# Altium PCB Motherboard.PcbDoc (part 2 of 3) (continued)
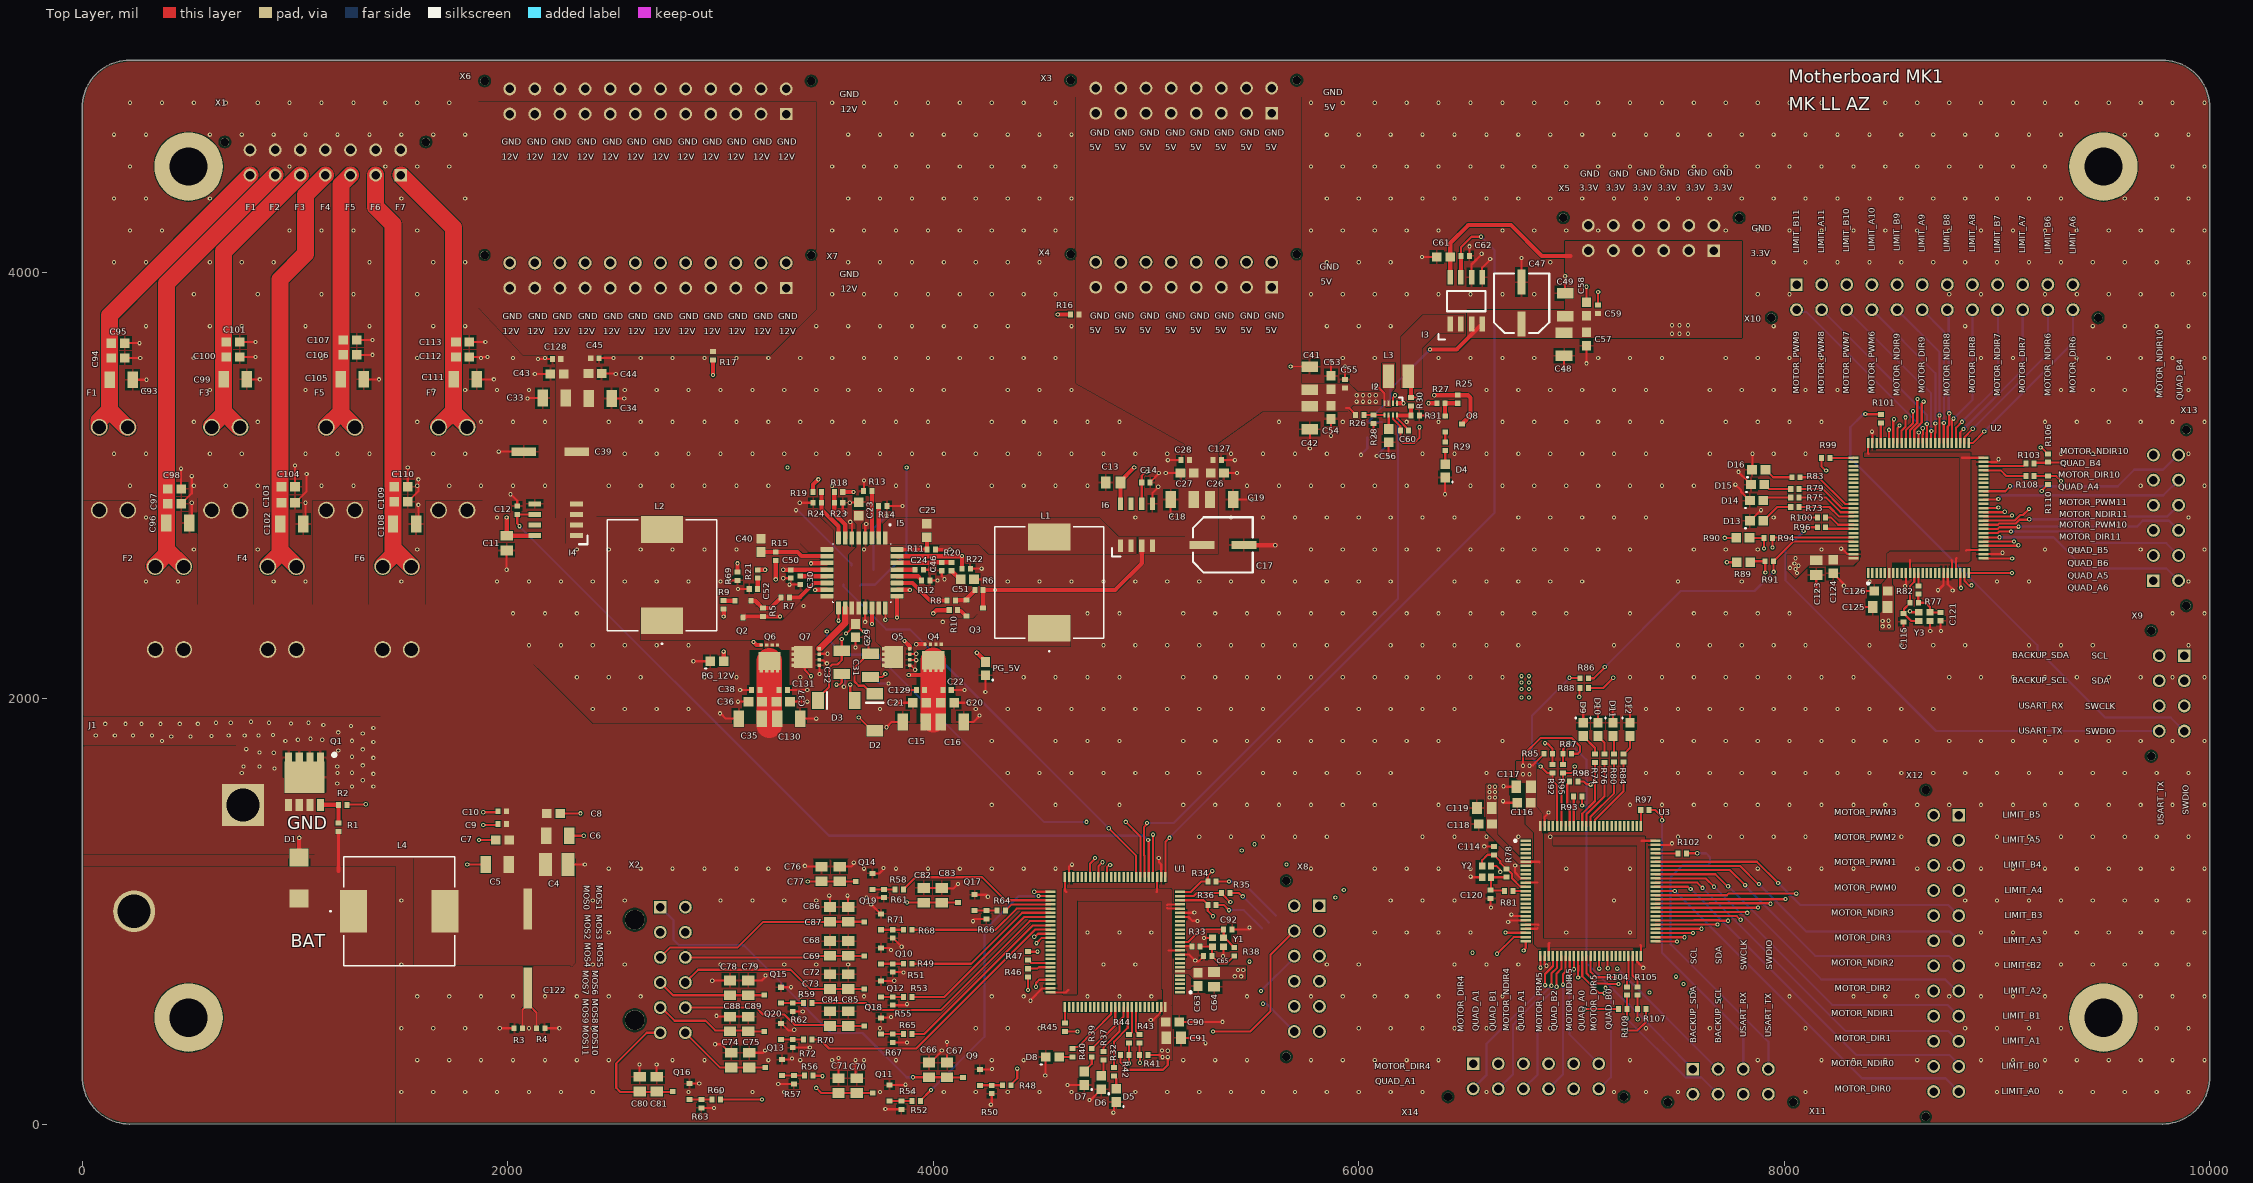
[diagram p0: Top Layer view]
## Nets (pads, with @x,y where several pads share a name; then routed paths per layer and width w, separated by ;. In a path a pad name is that pad's centre, name@x,y a point inside that pad or via, vN(x,y) a via of type N, cw(c..) or ccw(c..) an arc to the next point about the centre after c; other vN are vias at no path point) (continued)
LX1: C31.1 I5.25 Q5.1 | length 539.6
  Top Layer w10: C31.1@3705,2100.87 3760.87,2100.87 v1(3775,2115)
  Top Layer w20: I5.25@3829.57,2479.76 3829.57,2380.43 v1@3830,2380 ; v1(3865,2270) 3889.8,2245.2 Q5.1@3889.8,2233.39
  Mid Layer 1 w20: v1(3829.57,2380) 3829.57,2305.43 v1(3865,2270)
  Mid Layer 3 w10: v1(3775,2115) 3865,2205 v1(3865,2270)
LX2: C32.2 I5.16 L2.1 Q6.2 Q7.3 R15.1 | length 569
  Top Layer w10: Q7.3@3395,2185 3396.31,2183.69 3396.31,2133.69 v1(3425,2105) ; v1(3545,2065) 3560,2065 3570,2075 C32.2@3570,2115
  Top Layer w20: v1(3260,2560) R15.1@3260,2649.13
  Mid Layer 4 w10: v1(3425,2105) 3465,2065 v1(3545,2065)
  Mid Layer 4 w20: v1(3260,2560) 3385,2435 v1(3390,2435)
Mos0_out: C66.1 C67.1 Q9.3 X2.P$1 | length 1806.9
  Top Layer w10: v1(3905,220) 3979.68,220 3980,219.68 4065,219.68 4065.32,219.36 4139.36,219.36 Q9.3@4139.68,219.68
  Bottom Layer w10: X2.P$1@2716.89,1019.34 2780,956.23 2780,865 2805,840 3110,840 3311.53,638.47 3311.53,634.96 3519.01,427.48 3667.52,427.48 3875,220 3895,220 v1@3900,225
Mos1_out: C70.1 C71.1 Q11.3 X2.P$7 | length 1383.6
  Top Layer w10: v1(3450,170) 3474.82,145.18 3640,145.18 3714.82,145.18 Q11.3@3715,145
  Mid Layer 4 w10: X2.P$7@2835,1019.34 3455,399.34 3455,273 3450,268 v1(3450,170)
Mos2_out: C76.1 C77.1 Q14.3 X2.P$2 | length 1017.2
  Top Layer w10: v1(3410,1140) 3410.18,1140.18 3634.82,1140.18 Q14.3@3635,1140
  Mid Layer 1 w10: X2.P$2@2716.89,901.23 2780.55,901.23 3019.32,1140 v1(3410,1140)
Mos3_out: C82.1 C83.1 Q17.3 X2.P$8 | length 1336.6
  Top Layer w10: v1(3876.34,1041.1) 3876.72,1040.73 4114.27,1040.73 Q17.3@4115,1040
  Mid Layer 1 w10: X2.P$8@2835,901.23 3736.23,901.23 v1@3875,1040
Mos4_out: C86.1 C87.1 Q19.3 X2.P$3 | length 1022.4
  Top Layer w10: X2.P$3@2716.89,783.12 2763.77,830 3080.53,830 3200.53,950 C87.1@3515,950 ; C87.1@3515,950.35 C86.1@3600,950.35 3669.65,950.35 Q19.3@3670,950
Mos5_out: C68.1 C69.1 Q10.3 X2.P$9 | length 842.8
  Top Layer w10: X2.P$9@2835,783.12 3448.12,783.12 3455,790 Q10.3@3675,790
Mos6_out: C72.1 C73.1 Q12.3 X2.P$10 | length 902.1
  Top Layer w10: X2.P$10@2835,665 2895,725 3330,725 3420,635 C72.1@3515,635 C73.1@3600,635 Q12.3@3675,635
Mos7_out: C78.1 C79.1 Q15.3 X2.P$4 | length 508
  Top Layer w10: X2.P$4@2716.89,665 2776.89,605 Q15.3@3200,605
Mos8_out: C84.1 C85.1 Q18.3 X2.P$11 | length 864.1
  Top Layer w10: X2.P$11@2835,546.89 3168.11,546.89 3200,515 3300,515 3350,465 C84.1@3505,465 ; C84.1@3515,460.35 C85.1@3600,460.35 3674.65,460.35 Q18.3@3675,460
Mos9_out: C88.1 C89.1 Q20.3 X2.P$5 | length 532
  Top Layer w10: X2.P$5@2716.89,546.89 2723.11,546.89 2785,485 2930,485 2975,440 3045,440 C89.1@3130,440 ; C89.1@3130.35,435 Q20.3@3205,435
Mos10_out: C74.1 C75.1 Q13.3 X2.P$12 | length 443.6
  Top Layer w10: X2.P$12@2835,428.78 2998.78,265 3050,265 3050.35,265.35 C75.1@3135,265.35 Q13.3@3210.63,265.35
Mos11_out: C80.1 C81.1 Q16.3 X2.P$6 | length 656.8
  Top Layer w10: X2.P$6@2716.89,428.78 2653.78,428.78 2510,285 2510,170 2530,150 2770,150 Q16.3@2775,155
NetC12_1: C12.1 I4.6 U1.30 | length 3882.7
  Top Layer w10: v1(2055,2810) 2055,2812.71 2045,2822.71 C12.1@2045,2865 I4.6@2126.57,2865 ; v1(5010,1335) 5011.91,1333.09 5011.91,1326.02 5012.8,1325.13 U1.30@5012.8,1160.12
  Bottom Layer w10: v1(2055,2810) 3510,1355 4990,1355 v1(5010,1335)
NetC14_1: C14.1 I6.6 U1.29 | length 2097.9
  Top Layer w10: I6.6@4980,2910 I6.6@4980,2915 C14.1@4980,3015 4980,3047.57 4987.07,3054.64 4995.51,3063.09 5003.09,3063.09 v1(5005,3065) ; U1.29@5032.48,1160.12 v1(5032.48,1360)
  Mid Layer 4 w10: v1@5005.86,3065 5026.62,3065 5032.48,3059.14 v1(5032.48,1360)
NetC31_2: C31.2 D2.2 I5.24 | length 540.8
  Top Layer w10: v1(3695,2270) 3695,2225 C31.2@3705,2215 ; C31.2@3705,2210 3691.1,2210 3670.63,2189.53 3670.63,2185.63 3630,2145 3630,2080 3650,2060 3674.8,2060 3713.19,2021.61 D2.2@3725,2021.61 ; v1(3775,2370) 3775.12,2370.12 3775.12,2429.88 I5.24@3775,2430
  Mid Layer 3 w10: v1(3695,2270) 3696.91,2271.91 3696.91,2291.91 v1(3775,2370)
NetC32_1: C32.1 D3.2 I5.17 | length 520.4
  Top Layer w10: D3.2@3460,1990 3460,2003.43 3510,2053.43 3510,2145 3525,2160 3550,2160 3570,2180 C32.1@3570,2223.27 v1(3570,2280) ; D3.2@3460,2005 D3.2@3460,2023.43 ; v1(3554.76,2365.77) I5.17@3554.76,2425.43
  Mid Layer 3 w10: v1(3554.76,2365.77) 3554.76,2295.24 v1(3570,2280)
NetC51_1: C51.1 R20.1 | length 69
  Top Layer w10: C51.1@4128.5,2555 4128.5,2556.5 C51.1@4128.5,2560
  Top Layer w20: R20.1@4085,2600.32 4085,2600 4128.5,2556.5 C51.1@4130,2555
NetC52_1: C52.1 R21.1 | length 50.3
  Top Layer w20: C52.1@3175,2515 R21.1@3175,2565.32
NetC62_1: C62.1 I3.7 U1.26 | length 3929.6
  Top Layer w10: U1.26@5091.54,1160.12 5091.54,1326.54 v1(5110,1345) ; I3.7@6480,3980.24 I3.7@6480,3985 ; C62.1@6480.31,4080 6480.31,4120.31 6530,4170 v1(6575,4170)
  Top Layer w20: I3.7@6480,3985 C62.1@6480,4078.04
  Bottom Layer w10: v1(5110,1345) 6490,2725 6637.65,2872.65 6637.65,4107.35 v1(6575,4170)
NetC65_2: C65.2 R33.2 R38.2 Y1.1 | length 231
  Top Layer w10: R33.2@5254.69,835 5255.35,834.33 5309.33,834.33 Y1.1@5310,835 ; Y1.1@5310,830 5310.31,829.68 5310.31,790.16 5309.84,790.16 C65.2@5309.69,790 5344.69,755 5379.69,755 R38.2@5415,790.32
NetC93_1: C93.1 C94.1 C95.1 F1.2 X1.P$7 | length 1612
  Top Layer w60: F1.2@69,3272 F1.2@69,3279.07 ; F1.2@199.79,3274 F1.2@206,3274
  Top Layer w80: F1.2@80,3275 80,3307 128,3355 ; F1.2@215,3275 F1.2@213.86,3275 208,3275 128,3355 ; X1.P$7@788.78,4460 128,3799.22 128,3355
NetC96_1: C96.1 C97.1 C98.1 F2.2 X1.P$6 | length 2182.4
  Top Layer w60: F2.2@341,2620 F2.2@341,2622.88
  Top Layer w80: F2.2@341,2622.88 397,2678.88 397,2825 397,2915 397,2990 397,3950.11 X1.P$6@906.89,4460 ; 397,2699.81 F2.2@473.34,2623.47
NetC99_1: C99.1 C100.1 C101.1 F3.2 X1.P$5 | length 1473.1
  Top Layer w60: F3.2@608,3267 F3.2@608,3280 ; 664,3346 664.71,3346 ; 664.71,3336.71 664.71,3346 ; 665.86,3346 664.71,3346 ; F3.2@736.86,3275 F3.2@741.93,3275
  Top Layer w80: F3.2@608,3280 664.71,3336.71 ; 664.71,3346 664.71,3500 664.71,3600 664.71,3670 664.71,4099.71 X1.P$5@1025,4460 ; 665.86,3346 F3.2@736.86,3275
NetC102_1: C102.1 C103.1 C104.1 F4.2 X1.P$4 | length 2061.1
  Top Layer w60: F4.2@873,2617 F4.2@873,2624.88 ; 931,2693 933.81,2693
  Top Layer w80: F4.2@873,2624.88 929.59,2681.47 929.59,2820 929.59,2915 929.59,2990 929.59,3969.59 1050,4090 1050,4366.89 X1.P$4@1143.11,4460 ; 933.81,2693 F4.2@1006.93,2619.88
NetC105_1: C105.1 C106.1 C107.1 F5.2 X1.P$3 | length 1322.5
  Top Layer w60: F5.2@1147,3272 F5.2@1147,3277
  Top Layer w80: F5.2@1147,3277 1216,3346 C105.1@1216,3490.63 ; 1213.46,3343.46 F5.2@1281.93,3275 ; C105.1@1216.74,3500 1216.74,3600 1216.74,3685 1216.74,4415.52 X1.P$3@1261.22,4460
NetC108_1: C108.1 C109.1 C110.1 F6.2 X1.P$2 | length 2008.8
  Top Layer w3.5: 1470,2696.81 1470,2700
  Top Layer w60: F6.2@1413.07,2619.88 F6.2@1413.07,2624.95 ; F6.2@1543.12,2619.88 F6.2@1546.93,2619.88
  Top Layer w80: X1.P$2@1379.33,4460 1379.33,4310.67 1460,4230 1460,2671.88 F6.2@1413.07,2624.95 ; 1470,2696.81 F6.2@1546.93,2619.88
NetC111_1: C111.1 C112.1 C113.1 F7.2 X1.P$1 | length 1418.1
  Top Layer w60: F7.2@1675,3275 F7.2@1675,3280.07 ; 1745,3343.93 1745,3350.07 ; F7.2@1808.86,3275 F7.2@1808.86,3280.07
  Top Layer w80: X1.P$1@1497.44,4460 1745,4212.44 1745,3670 1745,3600 1745,3500 1745,3350.07 F7.2@1675,3280.07 ; 1745,3343.93 F7.2@1808.86,3280.07
NetC120_2: C120.2 R78.1 R81.2 Y2.3 | length 203
  Top Layer w10: R81.2@6685,1095 6682.81,1097.18 6622.19,1097.18 C120.2@6620,1099.37 6620.67,1100.04 6620.67,1159.33 6620,1160 Y2.3@6621.34,1160 R78.1@6695,1160
NetC121_2: C121.2 R77.1 R82.2 Y3.3 | length 179.2
  Top Layer w10: R77.1@8629.68,2450 R77.1@8630,2450 ; R82.2@8630,2490.32 8629.84,2490.16 8629.84,2450.16 R77.1@8630,2450 ; C121.2@8735,2404.68 8734.84,2404.84 8685.16,2404.84 Y3.3@8685,2405 8685,2430 8665,2450 R77.1@8630,2450
NetC122_2: C122.2 R3.2 R4.2 | length 325.4
  Top Layer w10: R3.2@2070,455 2070,538.19 C122.2@2095,563.19 ; C122.2@2095,639.96 2095,630 2095,575 C122.2@2095,563.19 ; R4.2@2135.32,450 2135.32,523.17 2109.98,548.5 2109.69,548.5 C122.2@2095,563.19
NetD4_1: D4.1 R29.1 | length 65.8
  Top Layer w10: D4.1@6405,3100 6406.26,3101.26 D4.1@6406.26,3101.5 R29.1@6406.26,3165.32
NetD5_1: D5.1 R32.2 | length 64.1
  Top Layer w10: R32.2@4850,225.31 4851.97,225.31 4858.78,218.5 4858.78,213.87 4860,212.65 D5.1@4860,166.5
NetD6_1: D6.1 R37.2 | length 77.6
  Top Layer w10: D6.1@4790,226.5 4800,236.5 R37.2@4800,300
NetD7_1: D7.1 R39.2 | length 84.8
  Top Layer w10: D7.1@4710,245 D7.1@4710,246.5 4710,247.48 4745,282.48 R39.2@4745,315.31
NetD8_1: D8.1 R40.2 | length 65.1
  Top Layer w10: D8.1@4590,315 4590.31,315.31 R40.2@4655,315.31
NetD9_1: D9.1 R74.2 | length 104.9
  Top Layer w10: D9.1@7055,1820 7057.52,1820 7110,1767.52 R74.2@7110,1739.37
NetD10_1: D10.1 R76.2 | length 98.1
  Top Layer w10: D10.1@7125,1825 D10.1@7125,1823.5 7125,1822.52 7155,1792.52 R76.2@7155,1739.37
NetD11_1: D11.1 R80.2 | length 87.4
  Top Layer w10: D11.1@7195,1825 7200,1820 R80.2@7200,1739.68
NetD12_1: D12.1 R84.2 | length 97.3
  Top Layer w10: R84.2@7245,1740 7247.28,1740 7275,1767.72 D12.1@7275,1823.5
NetD13_1: D13.1 R73.2 | length 160.8
  Top Layer w10: D13.1@7900,2830 7900,2832.52 7967.48,2900 R73.2@8030.31,2900
NetD14_1: D14.1 R75.2 | length 139.1
  Top Layer w10: D14.1@7900,2925 7900,2925.87 7919.13,2945 R75.2@8030.31,2945
NetD15_1: D15.1 R79.2 | length 130.1
  Top Layer w10: D15.1@7910,3005 7910,3002.48 7927.48,2985 R79.2@8030.31,2985
NetD16_1: D16.1 R83.2 | length 136.3
  Top Layer w10: D16.1@7915,3075 7915,3072.48 7947.48,3040 R83.2@8035.31,3040
NetI1_2: I1.2 U1.33 | length 2009.4
  Top Layer w10: v1(4825,1390) 4953.74,1261.26 U1.33@4953.74,1160.12
  Bottom Layer w10: I1.2@3577.6,2534.72 3577.6,2526.85 3779.45,2325 3890,2325 4095,2120 v1(4825,1390)
NetI5_2: I5.2 R14.2 | length 150.5
  Top Layer w10: I5.2@3743.74,2756.26 I5.2@3745,2755
  Top Layer w20: I5.2@3743.74,2756.26 R14.2@3743.74,2905
NetI5_3: I5.3 R13.2 | length 226.1
  Top Layer w10: I5.3@3712.24,2754.57 3712.24,2752.76 I5.3@3715,2750
  Top Layer w20: I5.3@3712.24,2754.57 R13.2@3712.24,2975
NetI5_15: I5.15 Q6.1 | length 515.5
  Top Layer w10: v1(3445,2510) v1@3445.63,2510.63 ; I5.15@3499.8,2510.63 I5.15@3500.43,2511.26
  Top Layer w20: v1(3155,2265) 3169.19,2250.81 Q6.1@3190.81,2250.81 ; v1@3445.63,2510.63 I5.15@3499.8,2510.63
  Mid Layer 1 w20: v1(3155,2265) 3155,2310 3355,2510 v1(3445,2510)
NetI5_18: I5.18 Q7.1 | length 241.5
  Top Layer w30: Q7.1@3465,2235 3466.42,2235 3586.26,2354.84 I5.18@3586.26,2425.43
NetI5_23: I5.23 L1.1 Q4.2 Q5.3 R11.1 | length 424.9
  Top Layer w20: R11.1@4009.68,2700.24 4079.76,2700.24 v1(4080,2700)
  Mid Layer 1 w20: v1(4045,2360) 4080,2395 v1(4080,2700)
NetI5_26: I5.26 Q4.1 | length 369.6
  Top Layer w10: I5.26@3830,2510 I5.26@3830.63,2510.63 ; v1@3889.37,2510.63 v1(3890,2510)
  Top Layer w20: I5.26@3830.63,2510.63 v1@3889.37,2510.63 ; v1(3920,2255) 3920.2,2254.8 Q4.1@3961.61,2254.8
  Mid Layer 1 w20: v1(3890,2510) 3910,2490 3910,2265 v1(3920,2255)
NetI5_28: I5.28 R12.2 | length 124.7
  Top Layer w10: R12.2@3945,2555 R12.2@3945,2557.28
  Top Layer w20: I5.28@3829.57,2574.25 3928.03,2574.25 R12.2@3945,2557.28
NetI7_2: I7.2 U1.32 | length 1780.7
  Top Layer w10: v1(4905,1420) 4973.43,1351.57 U1.32@4973.43,1160.12
  Mid Layer 1 w10: v1(4720,1420) v1(4905,1420)
  Bottom Layer w10: I7.2@3742.4,2205.28 3742.4,2197.4 3834.8,2105 3835,2105 4520,1420 v1(4720,1420)
NetI8_2: I8.2 U1.31 | length 2705.5
  Top Layer w10: U1.31@4993.11,1160.12 4993.11,1259.46 4990,1262.57 4990,1395 v1@5005,1410
  Bottom Layer w10: v1(5005,1415) 5130,1415 6185,2470 6185,3130 6183.7,3131.3 6183.7,3298.7 I8.2@6185,3300
NetJ1_1: J1.1 Q1.2
NetPG_5V_1: PG_5V.1 R10.1 | length 449.6
  Top Layer w20: v1(4000,2400) 4015,2415 R10.1@4075.32,2415 ; v1(4205,2215) 4233.35,2186.65 4233.35,2183.15 PG_5V.1@4245,2171.5
  Mid Layer 4 w20: v1(4000,2400) 4000,2355 4140,2215 v1(4205,2215)
NetPG_12V_1: PG_12V.1 R9.1 | length 245
  Top Layer w20: PG_12V.1@3015,2175 v1(3015,2220) ; v1(3015,2385) R9.1@3015,2420
  Mid Layer 1 w20: v1(3015,2220) v1(3015,2385)
NetQ1_1: Q1.1 R1.2 R2.2 | length 170.8
  Top Layer w20: Q1.1@1120,1500 R2.2@1205,1500 ; R1.2@1205,1414.68 1205.16,1414.84 1205.16,1499.84 R2.2@1205,1500 ; R2.2@1205.32,1500 R2.2@1205,1500
NetQ2_1: Q2.1 R5.1 R7.2 | length 180.9
  Top Layer w10: R5.1@3198.03,2424.68 R5.1@3200,2424.68
  Top Layer w20: Q2.1@3140.64,2459.36 3163.35,2459.36 R5.1@3198.03,2424.68 ; R5.1@3200,2425 3235.32,2425 3281.54,2471.22 3283.5,2471.22 3285.32,2473.03 R7.2@3285.32,2475
NetQ2_2: Q2.2 R9.2 | length 52.9
  Top Layer w10: R9.2@3015,2460 R9.2@3015.63,2459.37
  Top Layer w20: R9.2@3015.63,2459.37 Q2.2@3067.6,2459.37
NetQ3_1: Q3.1 R6.1 R8.2 | length 117.3
  Top Layer w10: R8.2@4105,2460 R8.2@4106.04,2461.04 ; Q3.1@4154.59,2461.04 Q3.1@4155,2461.46
  Top Layer w20: R8.2@4106.04,2461.04 Q3.1@4154.59,2461.04 ; Q3.1@4155,2460 4155,2461.46 4155,2467.72 4195.31,2508.03 R6.1@4195.31,2510
NetQ3_2: Q3.2 R10.2 | length 56.7
  Top Layer w10: R10.2@4115,2412.72 R10.2@4117.28,2415
  Top Layer w20: R10.2@4115,2415 4115,2412.72 4116.5,2411.22 4129.72,2411.22 4153.66,2387.28 Q3.2@4155.63,2387.28
NetQ8_1: Q8.1 R25.1 R27.2 | length 124.1
  Top Layer w20: Q8.1@6405,3325 6405,3386.3 R27.2@6406.26,3387.56 ; R27.2@6405,3390 6407.44,3387.56 R25.1@6465,3387.56
NetQ8_2: Q8.2 R29.2 | length 48.1
  Top Layer w10: R29.2@6405,3205 6406.26,3206.26 Q8.2@6406.26,3252.6
NetQ9_1: Q9.1 R48.2 R50.1 | length 106.4
  Top Layer w10: Q9.1@4219.37,181.96 R50.1@4275,181.96 4323.04,181.96 R48.2@4325,180
NetQ10_1: Q10.1 R49.2 R51.1 | length 106.9
  Top Layer w10: Q10.1@3754.37,752.95 R51.1@3810,752.95 3857.05,752.95 R49.2@3860,750
NetQ11_1: Q11.1 R52.2 R54.1 | length 111.5
  Top Layer w10: Q11.1@3794.37,107.95 R54.1@3850,107.95 R52.2@3900.32,107.95 3902.95,107.95 R52.2@3905,110
NetQ12_1: Q12.1 R53.2 R55.1 | length 106.6
  Top Layer w10: Q12.1@3754.37,597.6 R55.1@3810,597.6 3857.6,597.6 R53.2@3860,600
NetQ13_1: Q13.1 R56.2 R57.1 | length 106.5
  Top Layer w10: Q13.1@3289.37,227.95 R57.1@3345,227.95 3392.95,227.95 R56.2@3395,230
NetQ14_1: Q14.1 R58.2 R61.1 | length 106.5
  Top Layer w10: Q14.1@3714.37,1102.95 R61.1@3768,1102.95 3817.95,1102.95 R58.2@3820,1105
NetQ15_1: Q15.1 R59.2 R62.1 | length 106.9
  Top Layer w10: Q15.1@3284.37,567.95 R62.1@3340,567.95 3387.05,567.95 R59.2@3390,565
NetQ16_1: Q16.1 R60.2 R63.1 | length 105.7
  Top Layer w10: Q16.1@2854.37,114.95 R63.1@2910,114.95 2959.95,114.95 R60.2@2960,115
NetQ17_1: Q17.1 R64.2 R66.1 | length 102.7
  Top Layer w10: Q17.1@4194.37,1002.95 R66.1@4250,1002.95 4293.5,1002.95 4295,1001.46 R64.2@4295,1000
NetQ18_1: Q18.1 R65.2 R67.1 | length 106.9
  Top Layer w10: Q18.1@3754.37,422.95 R67.1@3810,422.95 3857.05,422.95 R65.2@3860,420
NetQ19_1: Q19.1 R68.2 R71.1 | length 106.5
  Top Layer w10: Q19.1@3754.37,912.95 R71.1@3810,912.95 3857.95,912.95 R68.2@3860,915
NetQ20_1: Q20.1 R70.2 R72.1 | length 106.5
  Top Layer w10: Q20.1@3284.37,397.95 R72.1@3340,397.95 3387.95,397.95 R70.2@3390,400
NetR41_2: R41.2 R43.2 X8.P$5 | length 1049.8
  Top Layer w10: R41.2@4970,325 4971.07,323.93 4971.07,288.79 v1(4971.83,288.03) ; R43.2@4970,380.31 4970.16,380.16 R41.2@4970.16,325
  Mid Layer 2 w10: X8.P$5@5802.83,552.83 X8.P$5@5815,552.83
  Mid Layer 4 w10: v1@4975,285 4981.97,278.03 5403.03,278.03 5610,485 5735,485 X8.P$5@5802.83,552.83
NetR42_1: R42.1 R44.2 X8.P$6 | length 1080.3
  Top Layer w10: R42.1@4919.69,325 4919.84,325.16 4919.84,378.84 R44.2@4920,379 ; v1(4920,285) 4919.84,285.16 4919.84,324.84 R42.1@4920,325
  Mid Layer 1 w10: v1(4920,285) 4955,250 5090,250 5191.53,351.53 5731.81,351.53 X8.P$6@5815,434.72
NetR43_1: R43.1 U1.93 | length 138.4
  Top Layer w10: U1.93@4953.74,549.88 4953.74,433.98 4968.72,419 R43.1@4970,419
NetR44_1: R44.1 U1.92 | length 136.5
  Top Layer w10: R44.1@4921,419 4921.28,419 4934.06,431.77 U1.92@4934.06,549.88
NetR45_1: R45.1 U1.76 | length 75.9
  Top Layer w10: U1.76@4619.09,549.88 4619.09,475.28 R45.1@4620,474.37
NetR45_2: R45.2 X8.P$8 | length 1423.7
  Top Layer w10: R45.2@4620,435 R45.2@4620,435 4677.61,435.04 v1(4677.65,435.07) ; v1(5315,435) 5490,435 5585,530 5585,795.28 5694.72,905 X8.P$8@5695,905
  Mid Layer 1 w10: v1@4679.14,435 4679.18,435.04 v1(5315,435) v1(5315,435)
NetR46_1: R46.1 U1.69 | length 108.1
  Top Layer w10: R46.1@4445,730 4489.69,730 4496.57,736.89 U1.69@4550.2,736.89
NetR46_2: R46.2 X8.P$12 | length 1393.1
  Top Layer w10: v1(4445,630) R46.2@4445,690.32
  Mid Layer 1 w10: v1(4445,630) 4510,565 v1(5550,565)
  Bottom Layer w10: v1(5550,565) 5566.61,565 X8.P$12@5696.89,434.72
NetR47_1: R47.1 U1.68 | length 110.8
  Top Layer w10: R47.1@4445,770 4447.28,770 4460.71,756.57 U1.68@4550.2,756.57
NetR47_2: R47.2 X8.P$11 | length 1361.4
  Top Layer w10: R47.2@4445,810 4445.16,809.84 4489.84,809.84 v1(4490,810)
  Mid Layer 1 w10: v1(4490,810) 5439.86,810 v1(5486.83,763.03)
  Mid Layer 4 w10: v1@5485,765 5485,764.72 X8.P$11@5696.89,552.83
NetR48_1: R48.1 U1.51 | length 1031
  Top Layer w10: R48.1@4364.69,181.96 4364.69,183.93 4395,214.24 v1(4395,260) ; v1(4475,1091.85) 4549.57,1091.85 U1.51@4550.2,1091.22
  Mid Layer 1 w10: v1(4395,260) 4395,1010 v1@4475,1090
  Mid Layer 3 w10: v1@4475,1090 v1(4475,1091.85)
NetR49_1: R49.1 U1.56 | length 749.9
  Top Layer w10: R49.1@3899.68,752.95 4177.95,752.95 4417.8,992.8 U1.56@4550.2,992.8
NetR52_1: R52.1 U1.52 | length 1302.3
  Top Layer w10: R52.1@3939.68,107.95 3939.68,109.92 3989.76,160 v1(3990,160) ; v1(4495,1071.85) 4495.16,1071.69 4550.04,1071.69 U1.52@4550.2,1071.54
  Bottom Layer w10: v1(3990,160) 4239.77,409.77 ; 4240.96,410.96 4240.96,910.96 4401.85,1071.85 v1(4495,1071.85)
NetR53_1: R53.1 U1.57 | length 806.1
  Top Layer w10: R53.1@3899.68,597.6 4052.6,597.6 4428.11,973.11 U1.57@4550.2,973.11
NetR56_1: R56.1 U1.61 | length 1389
  Top Layer w10: R56.1@3435,225 3436.48,226.48 3478.52,226.48 v1(3480,225) ; v1(4475,880) 4477.71,880 4492.08,894.37 4544.37,894.37 U1.61@4544.69,894.69
  Mid Layer 4 w10: v1(3480,225) 3480.88,224.12 3819.12,224.12 v1(4475,880)
NetR58_1: R58.1 U1.53 | length 760.1
  Top Layer w10: R58.1@3859.68,1102.95 3859.68,1104.92 3866.5,1111.73 3868.46,1111.73 3916.73,1160 4230,1160 4338.15,1051.85 U1.53@4550.2,1051.85
NetR59_1: R59.1 U1.58 | length 1308.2
  Top Layer w10: R59.1@3430,570.24 3430,570 3432.05,567.95 3683.29,567.95 3716.24,535 4035,535 4453.43,953.43 U1.58@4550.2,953.43
NetR60_1: R60.1 U1.62 | length 1865.2
  Top Layer w10: R60.1@2999.68,114.95 3194.95,114.95 v1(3195,115) ; v1(4485,850) 4509.69,874.68 U1.62@4550.2,874.68
  Mid Layer 4 w10: v1(3195,115) 3750,115 v1(4485,850)
NetR64_1: R64.1 U1.54 | length 225.7
  Top Layer w10: R64.1@4339.69,1000.98 R64.1@4339.69,1002.95 4339.69,1004.92 4346.5,1011.73 4348.46,1011.73 4368.9,1032.17 U1.54@4550.2,1032.17
NetR65_1: R65.1 U1.59 | length 862.1
  Top Layer w10: R65.1@3899.68,422.95 3957.95,422.95 4468.74,933.74 U1.59@4550.2,933.74
NetR68_1: R68.1 U1.55 | length 691.7
  Top Layer w10: R68.1@3899.68,912.95 4292.95,912.95 4392.48,1012.48 U1.55@4550.2,1012.48
NetR70_1: R70.1 U1.60 | length 1369.9
  Top Layer w10: R70.1@3429.68,397.95 3467.05,397.95 3510,355 3920,355 4479.06,914.06 U1.60@4550.2,914.06